# KiCad board LED.kicad_pcb
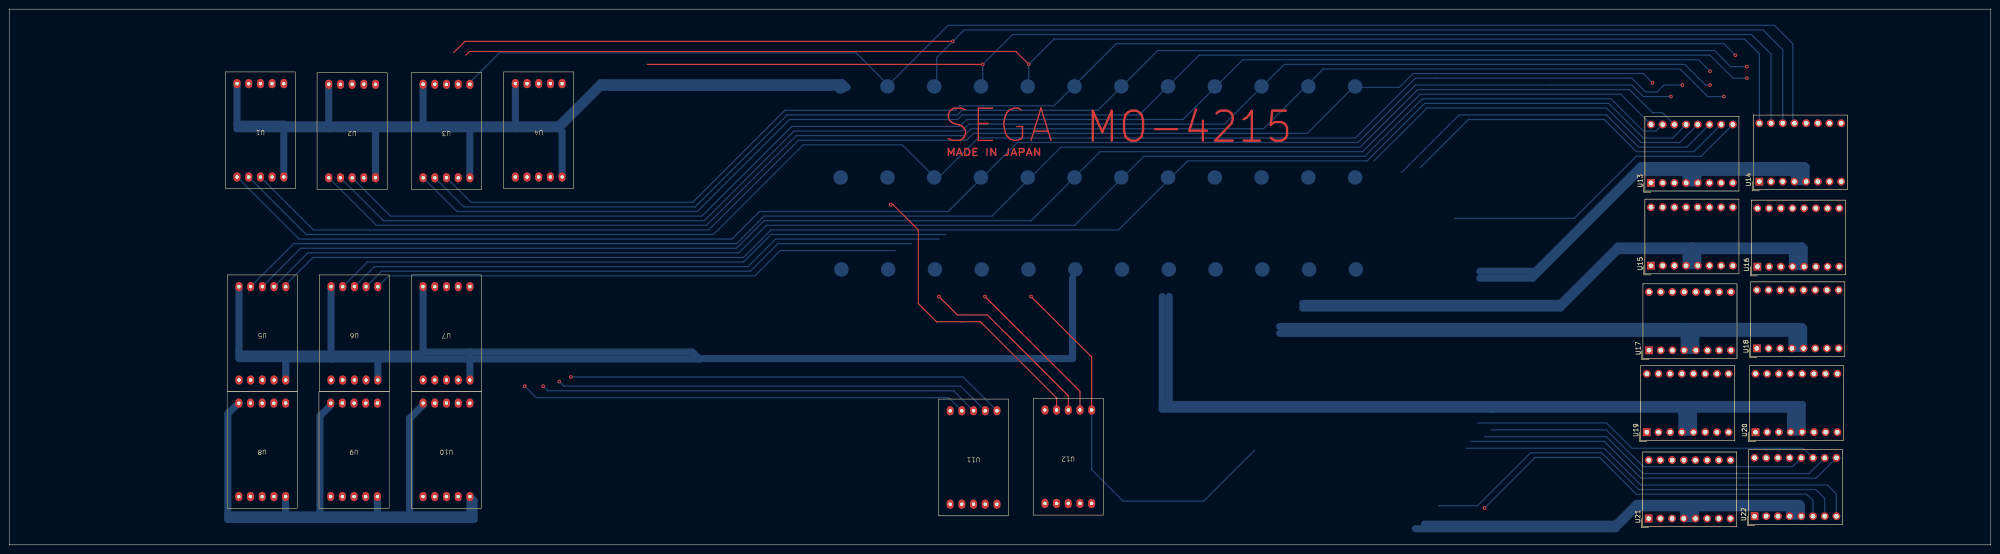
[diagram p0: board, top side]
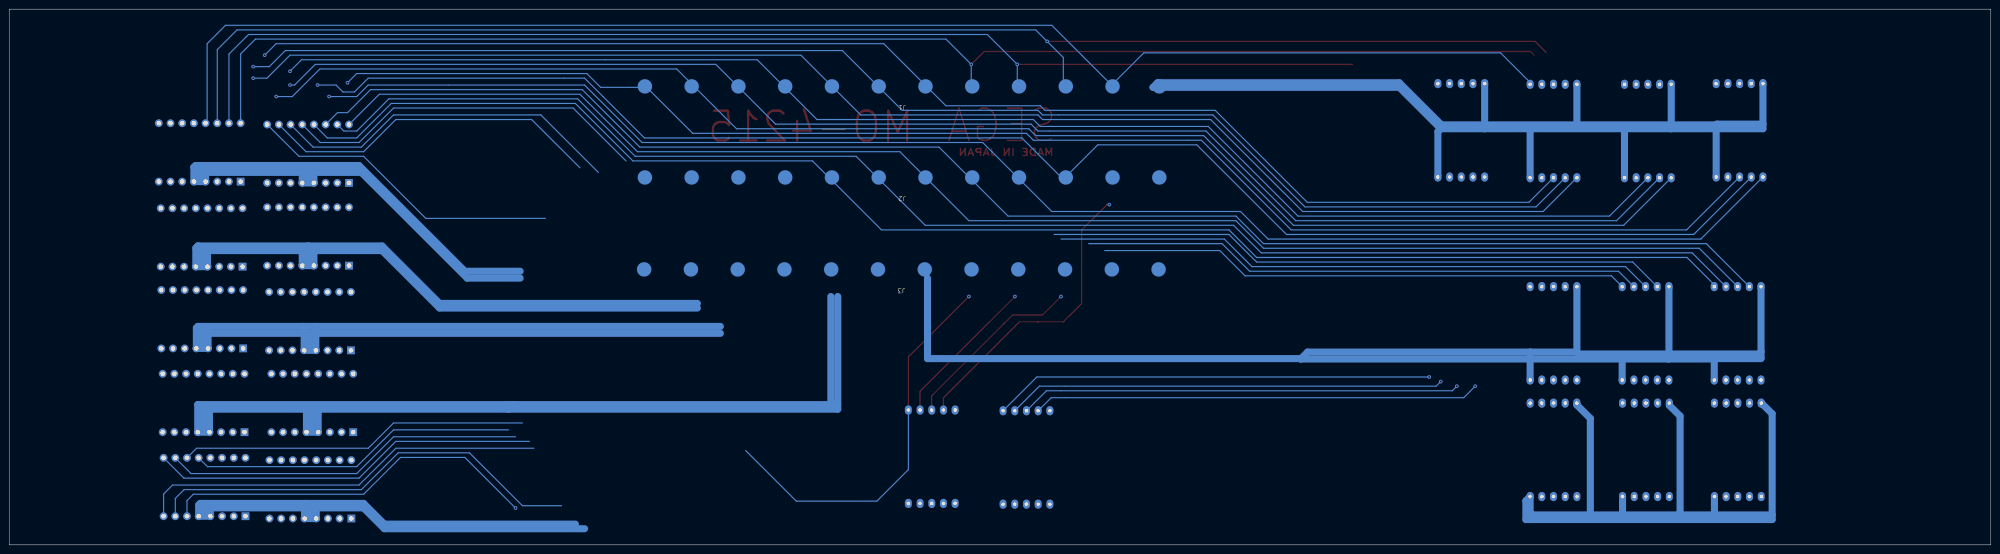
[diagram p1: board, bottom side, seen from below]

Outline 430.5 x 116.5 mm; copper layers: Top, Bottom. Coordinates in mm from the lower left corner of the outline.
Outline path: rectangle 0,116.5 430.5,0

## Placement (name value [footprint] x y rotation side)
J1  Conn_01x12  [Pad12]  236.52 94.63 180 bottom
J2  Conn_01x12  [Pad12]  236.52 74.82 180 bottom
J3  Conn_01x12  [Pad12]  236.68 54.82 180 bottom
U1  ELD-426SYGWA  [WeirdSize]  54.58 90.16 180 top
U2  ELD-426SYGWA  [WeirdSize]  74.5 90 180 top
U3  ELD-426SYGWA  [WeirdSize]  95 90 180 top
U4  ELD-426SYGWA  [WeirdSize]  115.04 90.16 180 top
U5  ELD-426SYGWA  [WeirdSize]  55 46 180 top
U6  ELD-426SYGWA  [WeirdSize]  75 46 180 top
U7  ELD-426SYGWA  [WeirdSize]  95 46 180 top
U8  ELD-426SYGWA  [WeirdSize]  54.96 20.66 180 top
U9  ELD-426SYGWA  [WeirdSize]  74.92 20.66 180 top
U10  ELD-426SYGWA  [WeirdSize]  95 20.66 180 top
U11  ELD-426SYGWA  [WeirdSize]  209.5 19 180 top
U12  ELD-426SYGWA  [WeirdSize]  230.08 19.16 180 top
U13  -  [DA04-11CGKWA]  356.68 78.72 90 top
U14  -  [DA04-11CGKWA]  380.22 79 90 top
U15  -  [DA04-11CGKWA]  356.68 60.72 90 top
U16  -  [DA04-11CGKWA]  379.8 60.5 90 top
U17  -  [DA04-11CGKWA]  356.26 42.3 90 top
U18  -  [DA04-11CGKWA]  379.68 42.72 90 top
U19  -  [DA04-11CGKWA]  355.76 24.5 90 top
U20  -  [DA04-11CGKWA]  379.38 24.5 90 top
U21  -  [DA04-11CGKWA]  356.18 5.72 90 top
U22  -  [DA04-11CGKWA]  379.18 6.22 90 top

## Library data of the parts
J1-J3 = -: Description: Generic connector, single row, 01x12, script generated (kicad-library-utils/schlib/autogen/connector/)
U1-U12 = -: Description: Double 7 segment brilliant yellow green LED common anode
U13-U22 = -: Description: Double 7 segment green LED common anode

## Footprints (pads in the part's own frame, mm; a bottom-side part is the same pattern mirrored in y, then rotated)
DA04-11CGKWA
  rect 1.7x1.7 hole 1: 1(0,0)
  round 1.7 hole 1: 2(0,-2.54) 3(0,-5.08) 4(0,-7.62) 5(0,-10.16) 6(0,-12.7) 7(0,-15.24) 8(0,-17.78) 9(12.7,-17.78) 10(12.7,-15.24) 11(12.7,-12.7) 12(12.7,-10.16) 13(12.7,-7.62) 14(12.7,-5.08) 15(12.7,-2.54) 16(12.7,0)
Pad12
  round 3.15 smd: 1(55.88,5.08) 2(45.72,5.08) 3(35.56,5.08) 4(25.4,5.08) 5(15.24,5.08) 6(5.08,5.08) 7(-5.08,5.08) 8(-15.24,5.08) 9(-25.4,5.08) 10(-35.56,5.08) 11(-45.72,5.08) 12(-55.88,5.08)
WeirdSize
  oval 1.524x2 hole 0.762: 1(5.08,10.16) 2(2.54,10.16) 3(0,10.16) 4(-2.54,10.16) 5(-5.08,10.16) 6(-5.08,-10.16) 7(-2.54,-10.16) 8(0,-10.16) 9(2.54,-10.16) 10(5.08,-10.16)

## Nets
Net-(J1-Pin_1): J1.1 U1.5 U1.10 U2.5 U2.10 U3.5 U3.10 U4.5 U4.10
Net-(J1-Pin_2): J1.2 U3.6 U14.13
Net-(J2-Pin_5): J2.5 U13.14
Net-(J2-Pin_6): J2.6 U5.8 U13.16
Net-(J2-Pin_7): J2.7 U5.7 U13.15
Net-(J2-Pin_8): J2.8 U5.6
Net-(U5-CA_D1): U5.5 U5.10 U6.5 U6.10 U7.5 U7.10
Net-(U10-CA_D1): U8.5 U8.10 U9.5 U9.10 U10.5 U10.10
Net-(U11-a): U11.7 U12.7
Net-(U11-b): U11.6 U12.6
Net-(U11-c): U11.4 U12.4
Net-(U11-d): U11.1 U12.1
Net-(U11-e): U11.3 U12.3
Net-(U11-f): U11.8 U12.8
Net-(U11-g): U11.9 U12.9
Net-(U13-DIG2_CA): U13.5 U14.4 U14.5
Net-(U15-DIG1_CA): U15.4 U15.5 U16.4 U16.5
Net-(U17-DIG1_CA): U17.4 U17.5 U18.4 U18.5
Net-(U19-DIG1_CA): U19.4 U19.5 U20.4 U20.5
Net-(U21-DIG1_CA): U21.4 U21.5 U22.4 U22.5

Pads without a net: J1 3 4 5 6 7 8 9 10 11 12; J2 1 2 3 4 9 10 11 12; J3 1 2 3 4 5 6 7 8 9 10 11 12; U1 1 2 3 4 6 7 8 9; U2 1 2 3 4 6 7 8 9; U3 1 2 3 4 7 8 9; U4 1 2 3 4 6 7 8 9; U5 1 2 3 4 9; U6 1 2 3 4 6 7 8 9; U7 1 2 3 4 6 7 8 9; U8 1 2 3 4 6 7 8 9; U9 1 2 3 4 6 7 8 9; U10 1 2 3 4 6 7 8 9; U11 2 5 10; U12 2 5 10; U13 1 2 3 4 6 7 8 9 10 11 12 13; U14 1 2 3 6 7 8 9 10 11 12 14 15 16; U15 1 2 3 6 7 8 9 10 11 12 13 14 15 16; U16 1 2 3 6 7 8 9 10 11 12 13 14 15 16; U17 1 2 3 6 7 8 9 10 11 12 13 14 15 16; U18 1 2 3 6 7 8 9 10 11 12 13 14 15 16; U19 1 2 3 6 7 8 9 10 11 12 13 14 15 16; U20 1 2 3 6 7 8 9 10 11 12 13 14 15 16; U21 1 2 3 6 7 8 9 10 11 12 13 14 15 16; U22 1 2 3 6 7 8 9 10 11 12 13 14 15 16

## Via types
v1: diameter 0.8, hole 0.4, Top to Bottom, 21 vias

## Routing (per net, layer and track width the routed paths; a pad name or vN(x,y) marks a point on that pad's centre or on a via; arc(x,y) is an arc through that point)
(no net): length 182.5
  Bottom w1.54: 390.38,82.12 389.26,81 389,81 ; 390.38,82.12 390.38,79 387.84,79 ; 390.38,82.12 390,82.5 364,82.5 ; 389,81 387.5,81 ; 389,81 389,80.16 387.84,79 ; 387.5,81 387.84,80.66 387.84,79 ; 387.5,81 366.5,81 ; 364,82.5 354.5,82.5 331.5,59.5 319.5,59.5 ; 364,82.5 364.3,82.2 364.3,78.72 366.84,78.72 ; 366.5,81 354,81 331,58 319.5,58 ; 366.5,81 366.84,80.66 366.84,78.72 ; 366.84,78.72 365.56,80 365.5,80
Net-(J1-Pin_1): length 354.7
  Bottom w1.54: U4.10 109.96,90.54 110,90.5 ; 69.5,90.5 69.42,90.58 U2.10 ; 69.5,90.5 79.5,90.5 ; 69.5,90.5 49.5,90.5 49.5,91.5 ; U1.5 59.66,91.34 ; 59.66,91.34 90,91.34 ; 59.66,91.34 59.5,91.5 49.5,91.5 ; U4.5 120.12,89.88 119.5,90.5 ; 110,90.5 119.5,90.5 ; 110,90.5 100,90.5 ; 119.5,90.5 128.5,99.5 182,99.5 181,100.5 128.5,100.5 119.34,91.34 90,91.34 ; 49.5,91.5 U1.10 ; 79.5,90.5 100,90.5 ; 79.5,90.5 79.58,90.42 U2.5 ; 100,90.5 100.08,90.42 U3.5 ; U3.10 89.92,91.42 90,91.34
Net-(J1-Pin_2): length 317.9
  Bottom w0.25: U14.13 387.5,92.04 387.5,109 383.5,113 204,113 191,100 184,107 106.5,107 100.08,100.58 U3.6
Net-(J2-Pin_6): length 321.7
  Bottom w0.25: U13.16 350.1,98 306.5,98 294,85.5 237,85.5 222,70.5 164,70.5 158,64.5 63.34,64.5 U5.8
Net-(J2-Pin_7): length 322.1
  Bottom w0.25: U13.15 357.8,90 355,90 348,97 307,97 294.5,84.5 246.5,84.5 231.5,69.5 164.5,69.5 158.5,63.5 64.88,63.5 U5.7
Net-(U10-CA_D1): length 200.5
  Bottom w1.54: 47.5,6.5 47.5,5.5 101,5.5 101,9.58 U10.5 100.08,7.08 99.5,6.5 87,6.5 ; 47.5,6.5 60,6.5 ; 47.5,6.5 47.5,28.5 49.82,30.82 U8.10 ; 87,6.5 87,27.5 89.92,30.42 U10.10 ; 87,6.5 80,6.5 ; 68,6.5 60,6.5 ; 68,6.5 80,6.5 ; 68,6.5 67.5,7 67.5,28 69.84,30.34 U9.10 ; 60,6.5 60.04,6.54 U8.5 ; 80,6.5 U9.5
Net-(U11-a): length 128.4
  Top w0.25: v1(212,54) 232.62,33.38 U12.7
  Bottom w0.25: v1(119.5,35.5) 120.5,34.5 206.7,34.5 U11.7
Net-(U11-b): length 181.5
  Top w0.25: U12.6 235.16,40.84 v1(222,54)
  Bottom w0.25: v1(122,36.5) 207.24,36.5 U11.6 ; U12.6 235.16,16.34 242,9.5 259.5,9.5 270.5,20.5
Net-(U11-f): length 135.8
  Top w0.25: v1(202,54) 206,50 212.5,50 230.08,32.42 U12.8
  Bottom w0.25: U11.8 205.16,33.5 117,33.5 v1(116,34.5)
Net-(U11-g): length 162.6
  Top w0.25: v1(191.5,74) 192,74 197.5,68.5 197.5,52.5 201.5,48.5 211,48.5 227.54,31.96 U12.9
  Bottom w0.25: v1(112,34.5) 114.5,32 204.12,32 U11.9
Net-(U15-DIG1_CA): length 252.5
  Bottom w1.54: U16.4 387.42,63.42 387.5,63.5 387,64 367,64 366.84,63.84 U15.5 U15.4 ; U16.4 388.42,61.5 388.5,61.5 388.5,64 389.5,65 ; U16.4 U16.5 389.96,64.54 389.5,65 ; 389.5,65 365.5,65 ; 281,52.5 337,52.5 349.5,65 365.5,65 ; 365.5,65 365.5,61.92 U15.4 ; U15.4 364.3,64 349.5,64 337,51.5 281,51.5
Net-(U17-DIG1_CA): length 258.1
  Bottom w1.54: 364,47.5 363.88,47.38 U17.4 U17.5 ; 364,47.5 276,47.5 ; 364,47.5 366.5,47.5 ; 366.5,47.5 389.5,47.5 389.84,47.16 U18.5 ; 366.5,47.5 366.42,47.42 U17.5 ; 365.5,45 365,44.5 365,43.5 365.22,43.5 U17.5 ; U18.5 388.56,44 388.5,44 388.5,46.5 387.5,46.5 387,46 ; U18.5 U18.4 387.3,45.7 387,46 ; 387,46 276,46
Net-(U19-DIG1_CA): length 359.8
  Bottom w1.54: U19.5 365.92,29.42 366,29.5 386.5,29.5 387,29 U20.4 U20.5 ; U19.5 364.5,25.92 364.5,29.5 ; U19.5 U19.4 363.38,29.12 363,29.5 322,29.5 ; U20.5 389.54,30.46 389.5,30.5 321,30.5 ; U20.5 388.5,25.54 388.5,29 388,29.5 ; 252,30.5 250.5,30.5 ; 252,30.5 321,30.5 ; 252,30.5 252,54 ; 321,30.5 320.5,30 ; 321,30.5 322,29.5 ; 322,29.5 250.5,29.5 250.5,54
Net-(U21-DIG1_CA): length 186.2
  Bottom w1.54: 388,8 388,7.56 U22.5 ; U21.5 365.06,7 365,7 ; U21.5 U21.4 363.8,7.83 364,8.04 ; U21.5 366.34,8.66 366,9 ; 366,9 389,9 389.34,8.66 U22.5 ; 366,9 353.5,9 349,4.5 307.5,4.5 ; 364,8.04 353.54,8.04 349,3.5 305.5,3.5 ; 364,8.04 386.46,8.04 386.8,7.7 U22.4 U22.5
unconnected-(J1-Pin_6-Pad6): length 297.5
  Bottom w0.25: 95,79.84 100.34,74.5 148.5,74.5 168.5,94.5 205.5,94.5 206.5,95.5 227,95.5 240.5,109 372.5,109 v1(375,106.5)
unconnected-(J1-Pin_8-Pad8): length 306.8
  Bottom w0.25: v1(377.5,101.5) 374.5,101.5 369.5,106.5 258.5,106.5 245.5,93.5 207,93.5 206,92.5 169.5,92.5 149.5,72.5 97.26,72.5 89.92,79.84
unconnected-(J1-Pin_9-Pad9): length 313.6
  Bottom w0.25: 74.5,79.84 82.84,71.5 150.5,71.5 170,91 206.5,91 208,92.5 255,92.5 268,105.5 367,105.5 v1(369.5,103)
unconnected-(J1-Pin_11-Pad11): length 323.9
  Bottom w0.25: v1(372.5,97.5) 369,97.5 363,103.5 285.5,103.5 272.5,90.5 209,90.5 207.5,89 171,89 151.5,69.5 79.76,69.5 69.42,79.84
unconnected-(J1-Pin_12-Pad12): length 322.1
  Bottom w0.25: v1(357,100.5) 355,102.5 305,102.5 302,99.5 292,99.5 282,89.5 209.5,89.5 208,88 171.5,88 152,68.5 66.08,68.5 54.58,80
unconnected-(J2-Pin_4-Pad4): length 332
  Bottom w0.25: v1(361,97.5) 355,97.5 352.5,100 305.5,100 293,87.5 219,87.5 204,72.5 163,72.5 157,66.5 63,66.5 49.5,80
unconnected-(J3-Pin_6-Pad6): length 360.6
  Bottom w1.54: 100.08,35.84 100.08,41.84 100,41.92 ; 100,41.92 148.42,41.92 149.92,40.42 ; 100,41.92 89.92,41.92 ; 49.92,56.16 49.92,42 ; 49.92,42 49.92,40.58 50,40.5 60,40.5 60.08,40.42 ; 49.92,42 50.42,41.5 89.5,41.5 89.92,41.92 ; 60.08,40.42 70,40.42 ; 60.08,40.42 60.08,35.84 ; 70,40.42 79.92,40.42 80,40.5 80.08,40.42 ; 70,40.42 69.92,40.5 69.92,56.16 ; 80.08,40.42 149.92,40.42 ; 80.08,40.42 80.08,35.84 ; 89.92,56.16 89.92,41.92 ; 149.92,40.42 150,40.5 231,40.5 231,58
unconnected-(U1-DP-Pad2): length 338.8
  Bottom w0.25: U1.2 64.54,67.5 153,67.5 172.5,87 194,87 201.5,79.5 210.5,88.5 292.5,88.5 305.5,101.5 352.5,101.5 355.5,98.5 358,98.5 359.5,100 v1(363.5,100)
unconnected-(U2-DP-Pad2): length 317.4
  Bottom w0.25: U2.2 81.3,70.5 151,70.5 170.5,90 207,90 208.5,91.5 264,91.5 277,104.5 364,104.5 368.5,100 v1(369.5,100)
unconnected-(U3-DP-Pad2): length 303.2
  Bottom w0.25: v1(377.5,104) 374,104 370.5,107.5 249.5,107.5 236.5,94.5 207,94.5 206,93.5 169,93.5 149,73.5 98.8,73.5 U3.2
unconnected-(U5-g-Pad9): length 330.2
  Bottom w0.25: 361.76,91.42 359.18,94 357,94 352,99 306,99 293.5,86.5 228.5,86.5 213.5,71.5 164,71.5 158,65.5 61.8,65.5 U5.9
unconnected-(U6-a-Pad7): length 122.3
  Bottom w0.25: U6.7 80.88,59.5 161,59.5 167,65.5 196,65.5
unconnected-(U6-b-Pad6): length 115.7
  Bottom w0.25: U6.6 82.42,58.5 162,58.5 167.5,64 192.5,64
unconnected-(U6-f-Pad8): length 131.3
  Bottom w0.25: 202,66.5 166.5,66.5 160.5,60.5 79.34,60.5 U6.8
unconnected-(U6-g-Pad9): length 135.7
  Bottom w0.25: 203.5,67.5 165.5,67.5 159.5,61.5 77.8,61.5 U6.9
unconnected-(U13-DIG1_B-Pad13): length 325.3
  Bottom w0.25: U13.13 361.38,88.5 355,88.5 347.5,96 307.5,96 295,83.5 256,83.5 241,68.5 165.5,68.5 159.5,62.5 66,62.5 60.08,56.58 60.08,56.16
unconnected-(U13-DIG2_A-Pad10): length 75.1
  Bottom w0.25: 306.5,82 317,92.5 346.5,92.5 353.5,85.5 366,85.5 U13.10
unconnected-(U13-DIG2_B-Pad12): length 79.8
  Bottom w0.25: 296.5,83.5 308,95 347,95 354.5,87.5 362.92,87.5 U13.12
unconnected-(U13-DIG2_F-Pad11): length 77
  Bottom w0.25: 302.5,81 315,93.5 347,93.5 354,86.5 364.46,86.5 U13.11
unconnected-(U13-DIG2_G-Pad9): length 68.9
  Bottom w0.25: U13.9 367.54,84.5 353.5,84.5 340,71 314,71
unconnected-(U14-DIG1_A-Pad15): length 268.7
  Top w0.25: v1(211.5,104.5) 138.6,104.5
  Bottom w0.25: U14.15 382.76,106.74 378.5,111 218,111 v1(211.5,104.5) 211.5,99.5
unconnected-(U14-DIG1_F-Pad14): length 319.5
  Top w0.25: 96.6,107.1 99,109.5 v1(205,109.5)
  Bottom w0.25: U14.14 385.3,107.7 381,112 207.5,112 v1(205,109.5) 201.5,106 201.5,100
unconnected-(U14-DIG1_G-Pad16): length 306.7
  Top w0.25: v1(221.5,104.5) 218.7,107.3 100,107.3 99.2,106.5
  Bottom w0.25: U14.16 380.22,106.78 377,110 227,110 v1(221.5,104.5) 221.5,99
unconnected-(U22-DIG2_A-Pad10): length 78.6
  Bottom w0.25: U22.10 391,15.5 355,15.5 347,23.5 320.5,23.5
unconnected-(U22-DIG2_B-Pad12): length 71.4
  Bottom w0.25: U22.12 387.42,17 355,17 347,25 322,25
unconnected-(U22-DIG2_C-Pad8): length 89.4
  Bottom w0.25: 316.5,21 346.5,21 354.5,13 395,13 396.96,11.04 U22.8
unconnected-(U22-DIG2_D-Pad6): length 83.2
  Bottom w0.25: U22.6 391.88,9.62 390.5,11 353.5,11 345.5,19 331.5,19 v1(320.5,8)
unconnected-(U22-DIG2_E-Pad7): length 96.7
  Bottom w0.25: 310.5,8.5 319,8.5 330.5,20 346,20 354,12 392.5,12 394.42,10.08 U22.7
unconnected-(U22-DIG2_F-Pad11): length 76
  Bottom w0.25: U22.11 389.8,21 352.5,21 347,26.5 319,26.5
unconnected-(U22-DIG2_G-Pad9): length 84.6
  Bottom w0.25: U22.9 392.54,14.5 354.5,14.5 346.5,22.5 317.5,22.5

## Text on the board
Top: MADE IN JAPAN | MO-4215 | SEGA
